# KiCad board V1.1.kicad_pcb (continued)
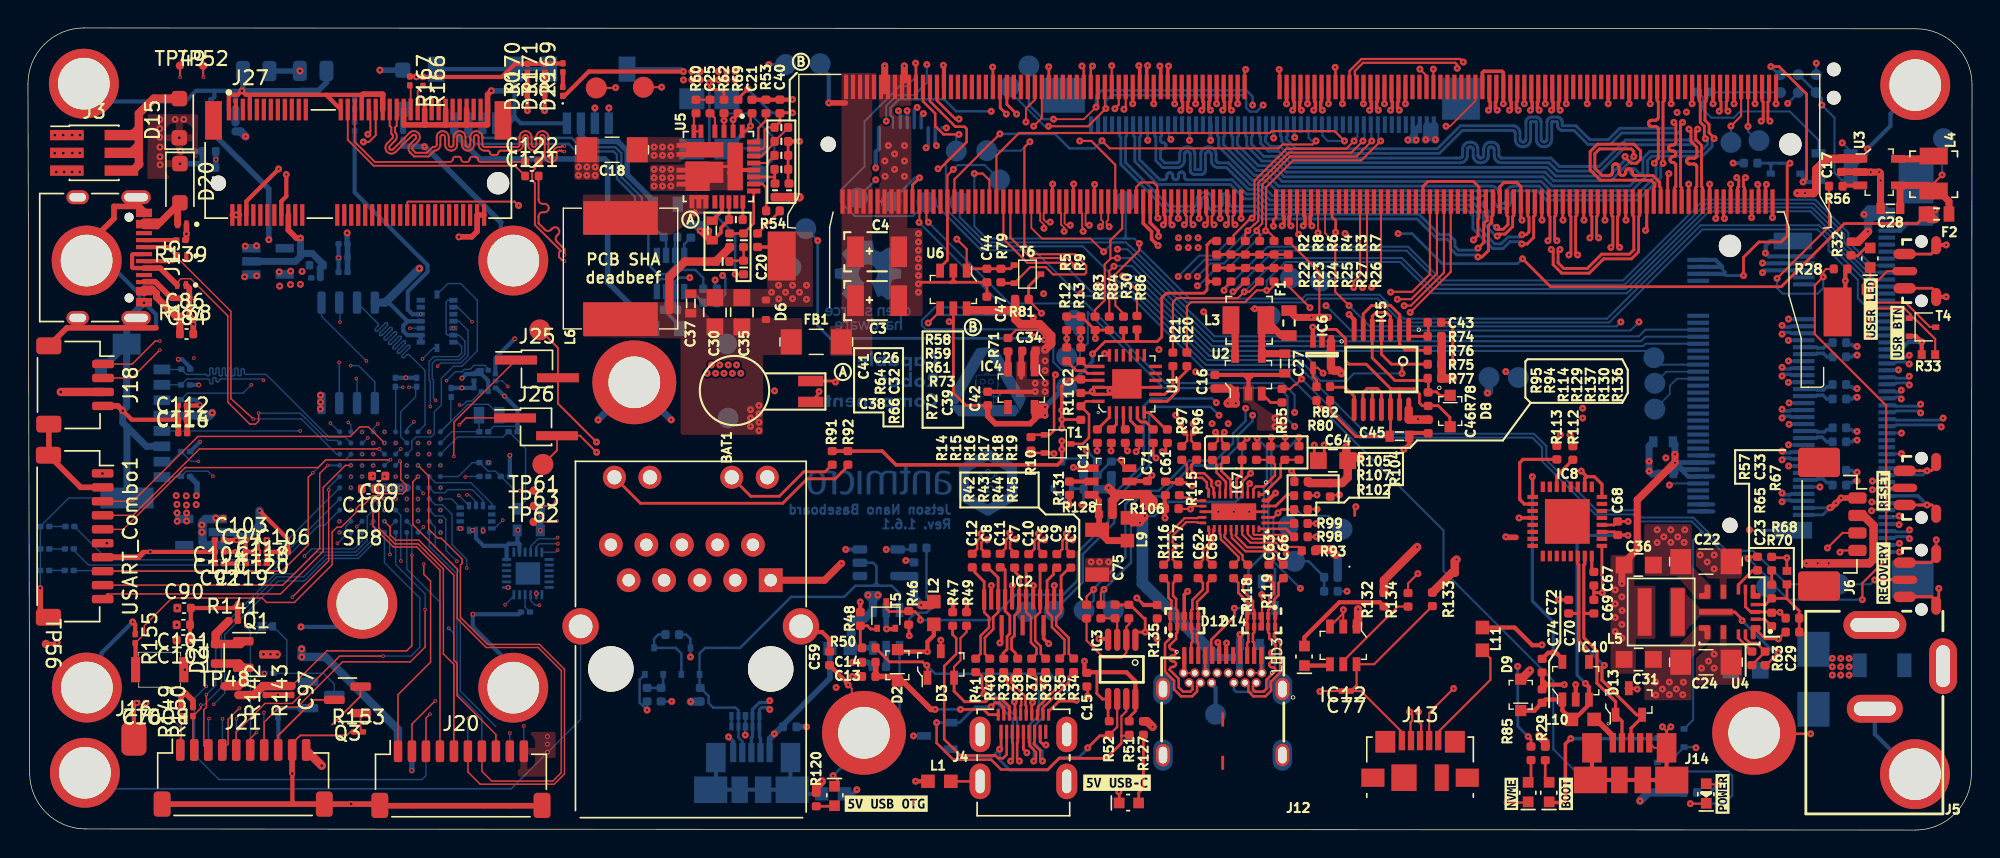
[diagram p0: board, top side]
## Routing (per net, layer and track width the routed paths; a pad name or vN(x,y) marks a point on that pad's centre or on a via; arc(x,y) is an arc through that point) (continued)
/Display/TMDS_D0_C_N: length 3.6
  Top w0.18: 69.72,11.3 70.02,11 70.02,10.43 71.03,9.42 71.03,8.94 70.98,8.9 J4.11
/Display/TMDS_D0_C_P: length 3.6
  Top w0.18: 70.62,11.3 70.32,11 70.32,10.55 71.33,9.55 71.33,8.94 71.38,8.9 J4.9
/Display/TMDS_D0_N: length 70.7
  Top w0.18: 69.57,19.82 69.92,20.17 69.92,20.75 70.2,21.03 v1(70.2,21.26)
  Top w0.25: 106.5,53.18 106.5,52.17 106.43,52.11 106.43,51.65 v1(106.56,51.52)
  In3_SIGNAL.Cu w0.18: v1(70.2,21.26) 68.72,22.74 68.73,22.78 68.74,22.82 68.76,22.85 68.79,22.88 68.82,22.9 68.86,22.91 68.9,22.92 68.93,22.92 68.97,22.92 69.01,22.94 69.04,22.96 69.07,22.99 69.09,23.02 69.1,23.06 69.11,23.1 69.1,23.14 69.09,23.18 69.07,23.21 69.04,23.24 69.01,23.26 68.97,23.27 68.93,23.28 68.9,23.28 68.86,23.28 68.82,23.3 68.79,23.32 68.76,23.35 68.74,23.38 68.73,23.42 68.72,23.46 68.73,23.5 68.74,23.54 68.76,23.57 68.79,23.6 68.82,23.62 68.86,23.63 68.9,23.64 68.93,23.64 68.97,23.64 69.01,23.66 69.04,23.68 69.07,23.71 69.09,23.74 69.1,23.78 69.11,23.82 69.1,23.86 69.09,23.9 69.07,23.93 69.04,23.96 69.01,23.98 68.97,23.99 68.93,24 68.9,24 68.86,24 68.82,24.02 68.79,24.04 68.76,24.07 68.74,24.1 68.73,24.14 68.72,24.18 68.72,25.06 68.71,25.16 68.68,25.25 68.63,25.33 68.56,25.39 68.48,25.44 68.4,25.47 68.3,25.48 68.12,25.48 68.09,25.49 68.06,25.5 68.04,25.51 68.01,25.54 68,25.56 67.99,25.59 67.98,25.63 67.98,25.7 67.99,25.73 68,25.76 68.01,25.79 68.04,25.81 68.06,25.83 68.09,25.84 68.12,25.84 68.3,25.84 68.4,25.85 68.48,25.89 68.56,25.94 68.63,26 68.68,26.08 68.71,26.17 68.72,26.26 68.72,26.36 68.71,26.46 68.68,26.55 68.63,26.63 68.56,26.69 68.48,26.74 68.4,26.77 68.3,26.78 68.12,26.78 68.09,26.79 68.06,26.8 68.04,26.81 68.01,26.84 68,26.86 67.99,26.89 67.98,26.93 67.98,27 67.99,27.03 68,27.06 68.01,27.09 68.04,27.11 68.06,27.13 68.09,27.14 68.12,27.14 68.3,27.14 68.4,27.15 68.48,27.19 68.56,27.24 68.63,27.3 68.68,27.38 68.71,27.47 68.72,27.56 68.72,34.33 69.72,35.33 69.72,43.91 72.9,47.09 103.33,47.09 106.56,50.31 v1(106.56,51.52)
/Display/TMDS_D0_P: length 70.7
  Top w0.18: v1(70.64,20.82) 70.41,20.82 70.22,20.63 70.22,20.17 70.57,19.82
  Top w0.25: v1(105.93,51.52) 106.06,51.65 106.06,52.11 106,52.17 106,53.18
  In3_SIGNAL.Cu w0.18: v1(105.93,51.52) 106.09,51.36 106.09,50.28 103.21,47.39 72.77,47.39 69.42,44.04 69.42,35.45 68.42,34.45 68.42,27.59 68.41,27.56 68.4,27.53 68.39,27.5 68.36,27.48 68.34,27.46 68.31,27.45 68.28,27.45 68.1,27.45 68,27.44 67.92,27.41 67.84,27.36 67.77,27.29 67.72,27.21 67.69,27.12 67.68,27.03 67.68,26.9 67.69,26.81 67.72,26.72 67.77,26.64 67.84,26.57 67.92,26.52 68,26.49 68.1,26.48 68.28,26.48 68.31,26.48 68.34,26.47 68.36,26.45 68.39,26.43 68.4,26.4 68.41,26.37 68.42,26.34 68.42,26.29 68.41,26.26 68.4,26.23 68.39,26.2 68.36,26.18 68.34,26.16 68.31,26.15 68.28,26.15 68.1,26.15 68,26.14 67.92,26.11 67.84,26.06 67.77,25.99 67.72,25.91 67.69,25.82 67.68,25.73 67.68,25.6 67.69,25.51 67.72,25.42 67.77,25.34 67.84,25.27 67.92,25.22 68,25.19 68.1,25.18 68.28,25.18 68.31,25.18 68.34,25.17 68.36,25.15 68.39,25.13 68.4,25.1 68.41,25.07 68.42,25.04 68.42,22.61 69.73,21.29 69.73,21.04 69.98,20.8 70.42,20.8 70.45,20.82 v1(70.64,20.82)
/Display/TMDS_D1_C_N: length 9.4
  Top w0.18: R37.2 72.12,10.95 72.12,10.4 v1(71.96,10.24) ; J4.8 71.58,6.28 71.63,6.24 71.63,6.02 72.08,5.57 72.08,5.1 v1(71.92,4.94)
  Bottom w0.18: v1(71.92,4.94) 71.92,5.83 71.69,6.07 71.69,7.61 72.29,8.22 72.29,9.9 v1(71.96,10.24)
/Display/TMDS_D1_C_P: length 9.4
  Top w0.18: v1(72.6,10.26) 72.43,10.43 72.43,10.96 R36.2 ; J4.6 71.98,6.28 71.93,6.24 71.93,6.15 72.38,5.69 72.38,5.1 v1(72.54,4.94)
  Bottom w0.18: v1(72.54,4.94) 72.54,5.64 71.99,6.19 71.99,7.49 72.6,8.09 72.6,10.26 v1(72.6,10.26)
/Display/TMDS_D1_N: length 70.7
  Top w0.18: 71.62,19.77 71.97,20.12 71.97,20.7 72.25,20.98 v1(72.25,21.21)
  Top w0.25: v1(108.06,51.52) 107.93,51.65 107.93,52.11 108,52.17 108,53.18
  In3_SIGNAL.Cu w0.18: v1(108.06,51.52) 107.9,51.36 107.9,49.6 104.68,46.39 77.68,46.39 76.74,45.44 72.64,45.44 70.62,43.42 70.62,34.62 70.02,34.03 70.02,31.21 70.03,31.17 70.04,31.14 70.05,31.12 70.08,31.09 70.11,31.07 70.14,31.06 70.17,31.06 70.35,31.06 70.44,31.05 70.53,31.02 70.61,30.97 70.68,30.9 70.73,30.82 70.76,30.73 70.77,30.63 70.77,30.52 70.76,30.42 70.73,30.33 70.68,30.25 70.61,30.18 70.53,30.13 70.44,30.1 70.35,30.09 70.17,30.09 70.14,30.09 70.11,30.08 70.08,30.06 70.05,30.03 70.04,30.01 70.03,29.98 70.02,29.94 70.02,22.99 71.04,21.97 71.07,21.95 71.1,21.93 71.14,21.92 71.18,21.92 71.22,21.93 71.26,21.95 71.29,21.97 71.41,22.1 71.45,22.12 71.48,22.14 71.52,22.15 71.56,22.15 71.6,22.14 71.64,22.12 71.67,22.1 71.69,22.07 71.71,22.03 71.72,21.99 71.72,21.95 71.71,21.91 71.69,21.87 71.67,21.84 71.54,21.72 71.52,21.69 71.5,21.65 71.49,21.61 71.49,21.57 71.5,21.53 71.52,21.5 71.54,21.46 71.82,21.19 72.23,21.19 v1(72.25,21.21)
/Display/TMDS_D1_P: length 70.7
  Top w0.18: 72.62,19.77 72.27,20.12 72.27,20.58 72.46,20.77 v1(72.69,20.77)
  Top w0.25: v1(107.43,51.52) 107.56,51.65 107.56,52.11 107.5,52.17 M1.71
  In3_SIGNAL.Cu w0.18: v1(72.69,20.77) 72.66,20.74 71.84,20.74 69.72,22.86 69.72,29.97 69.73,30.06 69.76,30.15 69.81,30.23 69.88,30.3 69.96,30.35 70.05,30.38 70.14,30.39 70.32,30.39 70.36,30.4 70.39,30.41 70.41,30.43 70.44,30.45 70.46,30.48 70.47,30.51 70.47,30.54 70.47,30.61 70.47,30.64 70.46,30.67 70.44,30.7 70.41,30.72 70.39,30.74 70.36,30.75 70.32,30.75 70.14,30.75 70.05,30.77 69.96,30.8 69.88,30.85 69.81,30.92 69.76,31 69.73,31.09 69.72,31.18 69.72,34.15 70.31,34.75 70.31,43.55 72.51,45.75 76.61,45.75 77.56,46.69 104.56,46.69 107.59,49.73 107.59,51.36 v1(107.43,51.52)
/Display/TMDS_D2_C_N: length 4
  Top w0.18: J4.5 72.18,8.57 72.23,8.62 72.23,8.82 74.12,10.71 74.12,10.96 R35.2
/Display/TMDS_D2_C_P: length 4
  Top w0.18: J4.3 72.58,8.57 72.53,8.62 72.53,8.7 74.42,10.59 74.42,10.96 R34.2
/Display/TMDS_D2_N: length 70.8
  Top w0.18: v1(74.25,21.21) 74.25,20.98 73.97,20.7 73.97,20.12 73.62,19.77
  Top w0.25: v1(109.56,51.52) 109.43,51.65 109.43,52.11 109.5,52.17 109.5,53.18
  In3_SIGNAL.Cu w0.18: v1(74.25,21.21) 74.11,21.07 74,21.07 73.58,21.5 73.55,21.53 73.54,21.57 73.53,21.6 73.53,21.65 73.54,21.68 73.55,21.72 73.58,21.75 73.67,21.84 73.69,21.87 73.71,21.91 73.72,21.95 73.72,21.99 73.71,22.03 73.69,22.06 73.67,22.09 73.63,22.12 73.6,22.14 73.56,22.15 73.52,22.15 73.48,22.14 73.44,22.12 73.41,22.09 73.32,22.01 73.29,21.98 73.26,21.96 73.22,21.96 73.18,21.96 73.14,21.96 73.1,21.98 73.07,22.01 71.42,23.65 71.42,25.94 71.42,25.96 71.43,25.98 71.44,26 71.46,26.01 71.48,26.02 71.5,26.03 71.52,26.03 71.69,26.03 71.78,26.04 71.86,26.07 71.93,26.11 71.99,26.17 72.03,26.24 72.06,26.32 72.07,26.41 72.07,26.63 72.06,26.71 72.03,26.79 71.99,26.86 71.93,26.92 71.86,26.96 71.78,26.99 71.69,27 71.52,27 71.5,27 71.48,27.01 71.46,27.02 71.44,27.04 71.43,27.06 71.42,27.07 71.42,27.1 71.42,42.73 73.03,44.34 76.73,44.34 78.03,45.64 105.38,45.64 109.4,49.65 109.4,51.36 v1(109.56,51.52)
/Display/TMDS_D2_P: length 70.8
  Top w0.18: 74.62,19.77 74.27,20.12 74.27,20.58 74.46,20.77 v1(74.69,20.77)
  Top w0.25: v1(108.93,51.52) 109.06,51.65 109.06,52.11 109,52.17 109,53.18
  In3_SIGNAL.Cu w0.18: v1(74.69,20.77) 74.5,20.77 74.47,20.75 74.03,20.75 74,20.77 73.88,20.77 71.12,23.53 71.12,25.96 71.13,26.04 71.15,26.12 71.2,26.2 71.26,26.25 71.33,26.3 71.41,26.33 71.49,26.34 71.67,26.34 71.69,26.34 71.71,26.35 71.73,26.36 71.74,26.37 71.75,26.39 71.76,26.41 71.76,26.43 71.76,26.6 71.76,26.62 71.75,26.64 71.74,26.66 71.73,26.68 71.71,26.69 71.69,26.69 71.67,26.7 71.49,26.7 71.41,26.71 71.33,26.73 71.26,26.78 71.2,26.84 71.15,26.91 71.13,26.99 71.12,27.07 71.12,42.85 72.91,44.64 76.61,44.64 77.91,45.94 105.26,45.94 109.09,49.78 109.09,51.36 v1(108.93,51.52)
/Display/TMDS_HPD_IN: length 19.4
  Top w0.18: v1(64.27,11.79) 64.32,11.74 D3.1
  Top w0.2: J4.1 72.98,8.48 73.73,9.23 74.91,9.23 v1(74.97,9.29) ; R50.1 61.6,12.04 63.97,12.04 64.22,11.79 v1(64.27,11.79)
  Bottom w0.18: v1(74.97,9.29) 73.07,11.19 64.87,11.19 v1(64.27,11.79)
/Display/TMDS_SCL: length 46.7
  Top w0.15: M1.100 100.25,39.78 98.99,38.53 97.46,38.53 v1(97.44,38.5) ; v1(76.2,17.21) 75.7,16.71 75.7,16.12
  In3_SIGNAL.Cu w0.15: v1(87.07,30.19) 87.27,30.39 87.27,32.28 89.88,34.89 95.17,34.89 97.37,37.09 97.37,38.43 v1(97.44,38.5)
  Bottom w0.18: v1(87.07,30.19) 87.07,29.29 86.17,28.39 86.17,27.69 84.92,26.44 83.02,26.44 80.86,24.28 79.43,24.28 78.47,23.32 78.47,19.54 76.2,17.27 v1(76.2,17.21) 76.2,16.42 TP28.1
/Display/TMDS_SCL_5V0: length 26.1
  Top w0.15: IC3.7 78.53,8.5 78.18,8.15 78.18,6.75 ; 78.74,6.75 78.19,6.75 78.18,6.75 ; 78.18,6.75 78.18,6.22
  Top w0.18: v1(64.97,7.69) 64.97,6.24 66.17,5.03 68.87,5.03 69.58,4.33 72.93,4.33
  Top w0.2: J4.17 69.78,8.77 69.44,9.11 69.15,9.11 v1(68.87,8.82) ; 78.18,6.22 77.1,5.13 73.73,5.13 72.93,4.33
  Bottom w0.18: v1(64.97,7.69) D4.1
  Bottom w0.2: v1(68.87,8.82) 67.75,8.82 66.62,7.69 D4.1
/Display/TMDS_SDA: length 46.3
  Top w0.15: M1.98 100.75,39.83 98.91,37.99 v1(97.92,37.99) ; v1(76.94,17.21) 76.72,16.99 76.72,16.12
  In3_SIGNAL.Cu w0.15: v1(87.57,29.69) 87.62,29.74 87.62,32.14 89.97,34.49 95.36,34.49 97.87,37 97.87,37.94 v1(97.92,37.99)
  Bottom w0.18: v1(87.57,29.69) 87.57,29.29 86.51,28.23 86.51,27.48 85.12,26.09 83.22,26.09 81.02,23.89 79.52,23.89 78.87,23.24 78.87,19.14 v1(76.94,17.21) 76.94,16.42 TP29.1
/Display/TMDS_SDA_5V0: length 18
  Top w0.15: 77.32,6.75 77.32,6.75 ; R52.2 77.88,7.38 77.88,9.37
  Top w0.2: J4.18 69.58,5.88 v1(69.48,5.78) ; 77.32,6.75 76.64,6.75 v1(75.78,5.88)
  Bottom w0.2: D4.2 66.22,5.79 66.77,5.24 68.93,5.24 v1(69.48,5.78) 69.48,5.02 70.21,4.28 72.88,4.28 73.8,5.21 75.15,5.21 75.78,5.83 v1(75.78,5.88)
/ID Serial/EEPROM_PWR: length 12.5
  Top w0.2: v1(126.93,46.38) 127.18,46.63 127.18,52.68 125.22,54.64 v1(124.62,54.64)
  Bottom w0.2: v1(124.62,54.64) 125.2,54.07 TP1.1
  Bottom w0.3: D1.C 126.93,46.79 v1(126.93,46.38) 127.88,46.38 IC1.4
/ID Serial/SN_WP: length 11.9
  Bottom w0.15: R1.1 119.78,52.46 119.78,51.58 120.38,50.98 121.98,50.98 122.43,51.43 125.98,51.43 128.03,49.38 IC1.5
/Interfaces/C_PCIE0_TX0_N: length 2.2
  Bottom w0.25: J7.47 127.89,34.06 127.95,34.12 128.38,34.12 128.63,33.87 129.05,33.87
/Interfaces/C_PCIE0_TX0_P: length 2.2
  Bottom w0.25: J7.49 127.89,34.56 127.95,34.5 128.38,34.5 128.63,34.74 129.05,34.74
/Interfaces/C_PCIE0_TX1_N: length 2.2
  Bottom w0.25: 129.05,30.85 128.63,30.85 128.36,31.12 127.95,31.12 127.89,31.06 J7.35
/Interfaces/C_PCIE0_TX1_P: length 2.2
  Bottom w0.25: J7.37 127.89,31.56 127.95,31.5 128.4,31.5 128.63,31.73 129.05,31.73
/Interfaces/C_PCIE0_TX2_N: length 2.2
  Bottom w0.25: 129.05,27.79 128.63,27.79 128.29,28.12 127.95,28.12 127.89,28.06 J7.23
/Interfaces/C_PCIE0_TX2_P: length 2.2
  Bottom w0.25: 129.05,28.66 128.63,28.66 128.46,28.5 127.95,28.5 127.89,28.56 J7.25
/Interfaces/C_PCIE0_TX3_N: length 2.2
  Bottom w0.25: 129.05,24.87 128.63,24.87 128.37,25.12 127.95,25.12 127.89,25.06 J7.11
/Interfaces/C_PCIE0_TX3_P: length 2.2
  Bottom w0.25: 129.05,25.74 128.63,25.74 128.38,25.5 127.95,25.5 127.89,25.56 J7.13
/Interfaces/CANH: length 25.5
  Bottom w0.18: J8.2 31.49,49.64 32.01,49.11 38.67,49.11 39.21,48.57 41.87,48.57 42.12,48.33 42.12,46.62 43.41,45.33 43.41,43.92 44.37,42.96 44.37,40.47 45.04,39.79 45.67,39.79 46.27,40.39 U7.7 46.27,42.28 R90.2
/Interfaces/CANL: length 20
  Bottom w0.18: J8.3 32.49,49.64 32.59,49.54 38.88,49.54 39.54,48.88 42,48.88 42.43,48.44 42.43,46.74 43.9,45.28 43.9,44 R90.1 45.62,42.28 U7.6
/NextPx4/AUX_PC0: length 3.1
  In3_SIGNAL.Cu w0.1: v4(31.27,25.27) 30.27,25.27 v4(29.5,24.5)
  Bottom w0.1: R152.2 31.31,25.31 v4(31.27,25.27)
/NextPx4/AUX_PC13: length 22.6
  Top w0.1: 28.46,6.41 28.46,8.01 v4(28.74,8.29)
  In2.Cu w0.1: 28.77,8.32 28.77,15.6 29.08,15.92 29.08,28.12 v4(28.7,28.5)
  In2.Cu w0.125: v4(28.74,8.29) 28.77,8.32 ; v4(28.7,28.5) 28.7,28.56
/NextPx4/AUX_PD4: length 23.2
  Top w0.1: v4(28.3,19.04) 28.3,18.31 28.79,17.82 28.79,12.02 26.46,9.69 26.46,6.41
  Top w0.125: 28.25,19.04 v4(28.3,19.04) 28.29,19.04 ; v4(24.68,26.09) 24.69,26.09
  In2.Cu w0.1: v4(24.68,26.09) 26.06,26.09 26.69,25.46 26.69,25.14 27.49,24.33 27.49,20.47 28.3,19.66 v4(28.3,19.04)
/NextPx4/AUX_PH1: length 21.7
  Top w0.1: J20.2 27.46,7.59 29.11,9.24
  Top w0.125: 29.11,9.24 v4(29.12,9.24)
  In2.Cu w0.1: v4(29.49,26.11) 29.89,25.71 29.89,14.8 29.12,14.03 v4(29.12,9.24)
/NextPx4/BAT_I: length 15.9
  Bottom w0.1: U22.K4 27.09,18.68 29.49,16.27 29.49,9.08 29.46,9.05 29.46,6.43
/NextPx4/BAT_V: length 22.9
  Top w0.1: v4(27.45,19.66) 27.45,13.2 27.07,12.82 21.37,12.82 C97.1
  Top w0.6: R142.2 16.15,9.67 16.79,10.31 R143.1 C97.1
  Bottom w0.1: v4(27.45,19.66) 27.45,19.66 27.45,21.74 U22.J4
/NextPx4/BMI_Accel_CS: length 12.9
  In2.Cu w0.1: v4(27.89,26.9) 28.27,27.28 28.27,29.28 30.45,31.45 30.45,33.08 31.77,34.4 31.77,36.37 v4(31.75,36.39)
  Bottom w0.1: v4(31.75,36.39) 31.75,36.4 30.73,37.42 30.41,37.42
/NextPx4/BMI_Accel_Data_RDY: length 17.8
  Bottom w0.1: 29.25,38.33 30.03,39.11 30.93,39.11 32.12,37.92 32.12,34.29 31.03,33.2 30.43,33.2 29.55,32.33 29.55,30.43 29.05,29.92 29.05,28.35 28.84,28.14 27.74,28.14 27.45,27.85 27.45,27.26 U22.C4
/NextPx4/BMI_Gryo_CS: length 11.3
  In2.Cu w0.1: v4(27.31,35.91) 29.66,33.55 29.66,33.04 29.17,32.55 29.17,31.87 27.17,29.87 27.17,28.42 v4(27.9,27.69)
  Bottom w0.1: v4(27.31,35.91) 27.32,35.92 U25.5
/NextPx4/BMI_Gyro_Data_RDY: length 13.8
  In2.Cu w0.1: v4(27.09,26.1) 27.09,26.1 27.09,28.18 26.94,28.33 26.94,29.96 28.8,31.82 28.8,32.71 v4(29.29,33.2)
  Bottom w0.1: 30.41,36.42 30.81,36.42 31.47,35.76 31.47,33.95 30.95,33.43 29.52,33.43 v4(29.29,33.2)
/NextPx4/BMP_Data_RDY: length 6.6
  In3_SIGNAL.Cu w0.1: 27.59,29.23 29.67,29.23 v4(30.86,30.42)
  Bottom w0.1: U27.7 31.72,30.7 31.37,30.7 31.09,30.42 v4(30.86,30.42) ; v4(27.6,29.22) 27.09,28.71 U22.A4
/NextPx4/Buzzer-: length 6.4
  Top w0.1: J21.8 17.89,6.76
  Top w0.125: Q3.3 20.45,9.32 17.89,6.76 ; J21.8 17.89,5.98
/NextPx4/Buzzer_RGB_LED: length 22.2
  Top w0.1: v4(18.9,16.67) 21.5,19.27 21.5,24.34 ; v4(16.34,6.99) 15.89,6.53 J21.6
  Top w0.15: v4(21.51,24.35) 21.5,24.34
  In2.Cu w0.1: v4(16.34,6.99) 16.34,14.11 v4(18.9,16.67)
  Bottom w0.1: U22.E10 21.51,24.52
  Bottom w0.15: 21.51,24.52 v4(21.51,24.35)
/NextPx4/Extern_I2C_INT_PE15: length 24.8
  Top w0.1: J21.3 12.57,6.04 12.57,8.6 12.76,8.78 v4(12.76,9.69)
  Bottom w0.1: v4(12.76,9.69) 13.43,10.36 13.43,14.08 15.16,15.81 15.16,15.81 15.4,16.04 15.4,16.05 17.69,18.34 19.07,18.34 20.62,19.89 23.43,19.89 24.25,20.72 24.25,22.46 U22.H7
/NextPx4/Extern_IMU_Heater: length 24.8
  Top w0.1: v4(28.4,15.78) 28.4,13.1 27.34,12.04 22.49,12.04 19.25,8.8 17.97,8.8 16.89,7.72 J21.7
  Bottom w0.1: U22.K5 26.29,19.01 28.4,16.9 v4(28.4,15.78)
/NextPx4/Extern_SPI_CS_1_PE13: length 26.7
  Top w0.1: v4(25.4,12.45) 22.29,12.45 18.9,9.06 16.95,9.06 14.89,7 J21.5
  Top w0.15: 14.89,6.23 J21.5
  Bottom w0.1: 25.49,21.3 25.49,19.14 28.02,16.61 28.02,13.08 27.39,12.45 v4(25.4,12.45)
  Bottom w0.15: U22.K6 25.49,21.3
/NextPx4/Extern_SPI_CS_2_PE14: length 20.7
  Top w0.1: v4(25.08,23.3) 25.08,21.63 26.23,20.48 27.9,20.48 29.7,18.68 29.7,12.61 30.46,11.85 30.46,6.41
  Bottom w0.1: v4(25.08,23.3) 25.08,23.31 U22.G7
/NextPx4/Extern_SPI_INT_1_PE10: length 20.9
  Top w0.1: U22.G6 v4(25.49,23.7) 24.91,23.7 24.67,23.46 24.67,21.72 26.14,20.26 27.81,20.26 29.46,18.6 29.46,6.41
/NextPx4/Extern_SPI_INT_2_PE11: length 22.9
  Top w0.1: 15.08,8.7 14.31,7.93 14.31,6.16 J21.4
  Top w0.15: 15.08,8.7 v4(15.12,8.72) 15.11,8.7
  In2.Cu w0.1: v4(25.5,22.9) 25.08,22.48 25.08,21.94 23.26,20.12 21.78,20.12 15.12,13.46 v4(15.12,8.72)
/NextPx4/I2C1_SCL: length 11.8
  In3_SIGNAL.Cu w0.1: v4(27.24,31.69) 27.25,31.68 29.44,31.68 v4(29.93,32.17)
  Bottom w0.1: U27.2 32.91,33.02 32.66,33.26 31.9,33.26 31.61,32.97 31.2,32.97 31.04,32.8 30.56,32.8 v4(29.93,32.17) ; v4(27.24,31.69) 27.75,31.69 R160.2 ; U22.B4 26.65,28.14 26.65,29.93 27.72,31 27.72,31.66 R160.2 ; R160.2 27.78,31.73
/NextPx4/I2C1_SDA: length 12.9
  In3_SIGNAL.Cu w0.1: v4(34.31,31.75) 34.17,31.75 33.64,31.22 30.85,31.22 30.77,31.31 27.09,31.31 26.79,31.61 v4(26.79,31.69)
  Bottom w0.1: U22.A5 26.29,31.71 R159.2 ; v4(26.79,31.69) 26.31,31.69 R159.2 ; U27.4 33.91,32.15 v4(34.31,31.75) ; R159.2 26.35,31.65
/NextPx4/I2C2_SCL: length 26
  Top w0.1: v4(10.96,8.16) 10.96,6.58 10.89,6.51 J21.1 10.96,5.8
  In2.Cu w0.1: v4(13.28,9) 12.44,8.16 v4(10.96,8.16)
  Bottom w0.1: U22.J7 24.48,21.89 24.62,21.89 25.05,21.45 25.05,20.88 23.61,19.44 21.38,19.44 19.76,17.83 17.91,17.83 14.07,13.99 14.07,9.79 v4(13.28,9)
/NextPx4/I2C2_SDA: length 23.5
  Top w0.1: J21.2 11.8,5.82 R150.1 12.36,8.72 v4(12.36,8.95)
  Bottom w0.1: v4(12.36,8.95) 12.57,8.95 13.83,10.21 13.83,14.16 15.25,15.58 15.25,15.58 15.62,15.95 15.62,15.95 17.79,18.12 19.72,18.12 21.27,19.67 23.52,19.67 24.69,20.84 U22.K7
/NextPx4/ICM_Data_RDY: length 7.8
  In3_SIGNAL.Cu w0.1: v4(27.89,23.7) 28.33,23.7 29.11,22.92 29.11,22.75 29.33,22.53 30.07,22.53 30.42,22.18 v4(33.95,22.18)
  Bottom w0.1: v4(33.95,22.18) 33.36,21.59 U24.4
/NextPx4/ICM_~{CS}: length 4.7
  In3_SIGNAL.Cu w0.1: v4(28.26,24.09) 29.03,23.32 29.65,23.32 30.28,23.95 v4(30.8,23.95)
  Bottom w0.1: v4(30.8,23.95) 30.81,23.95 U24.12 ; U22.F3 28.26,24.13 v4(28.26,24.09)
/NextPx4/LED_BLUE: length 21.5
  Bottom w0.1: D27.2 3.28,20.02 4.33,18.97 17.55,18.97 18.32,19.74 18.33,19.74 U22.G10
/NextPx4/LED_GREEN: length 20.8
  Bottom w0.1: U22.H10 21.2,21.81 20.79,21.81 17.55,18.57 3.28,18.57 D28.2
/NextPx4/LED_RED: length 22.1
  Bottom w0.1: U22.F10 17.13,19.34 5.71,19.34 D26.2
/NextPx4/MPU_Data_RDY: length 11.9
  In3_SIGNAL.Cu w0.1: v4(34.12,16.13) 34.12,16.54 31.03,19.63 29.34,19.63 28.12,20.85 27.73,20.85 27.48,21.1 27.48,22.55 27.13,22.9 v4(27.09,22.9)
  Bottom w0.1: U26.12 34.75,16.76 v4(34.12,16.13)
/NextPx4/MPU_~{CS}: length 14.7
  In3_SIGNAL.Cu w0.1: v4(37.87,20.94) 30.37,20.94 29.59,21.72 29.35,21.72 28.89,22.18 28.89,22.43 28,23.33 27.47,23.33 v4(27.09,23.7)
  Bottom w0.1: v4(37.87,20.94) 37.78,20.85 36.48,20.85 35.95,20.32 U26.22
/NextPx4/NRST: length 7.9
  Top w0.1: v4(35.16,24.3) TP61.1
  Bottom w0.1: v4(35.16,24.3) 34.83,24.3 C105.1 33.44,25.68 32.9,25.68 R154.2 31.77,26.3 30.77,25.3 U22.E1
/NextPx4/PWM/DSHOT_CH1: length 22.7
  In3_SIGNAL.Cu w0.1: v4(31.37,18.76) 31.37,8.97 32.89,7.45 v4(35.45,7.45)
  Bottom w0.1: J19.1 35.46,7.44 v4(35.45,7.45) ; U22.G2 29.11,23.28 29.64,23.28 30.32,22.6 30.32,20.43 31.37,19.38 v4(31.37,18.76)
/NextPx4/PWM/DSHOT_CH2: length 20.8
  In3_SIGNAL.Cu w0.1: v4(34.46,6.94) 33.07,6.94 31.04,8.97 31.04,12.67 30.67,13.04 v4(30.67,19.24)
  Bottom w0.1: v4(30.67,19.24) 29.88,20.03 29.88,22.25 29.65,22.48 29.11,22.48 U22.H2 ; v4(34.46,6.94) J19.2
/NextPx4/PWM/DSHOT_CH3: length 17.6
  Bottom w0.1: J19.3 33.46,6.63 ; U22.J2 29.12,21.67 29.12,20.25 30.91,18.46 30.91,9.95 33.46,7.4
/NextPx4/PWM/DSHOT_CH4: length 16.4
  Bottom w0.1: 32.46,6.43 32.46,8.04 30.67,9.82 30.67,18.22 30.67,18.23 30.67,18.33 28.69,20.31 U22.K2
/NextPx4/PWM/DSHOT_CH5: length 21.9
  In3_SIGNAL.Cu w0.1: v4(23.89,22.9) 23.89,20.48 23.97,20.4 27.92,20.4 29.07,19.24 29.07,14.31 30.79,12.6 30.79,8.69 v4(31.49,7.99)
  Bottom w0.1: v4(31.49,7.99) 31.46,7.96 31.46,6.43
/NextPx4/PWM/DSHOT_CH6: length 22.1
  In3_SIGNAL.Cu w0.1: 24.27,20.88 24.27,20.78 24.43,20.62 28.01,20.62 30.08,18.55 v4(30.08,14.44) ; 24.27,20.88 24.26,20.87 ; 24.27,20.88 24.27,23.32 v4(23.89,23.7)
  Bottom w0.1: v4(30.08,14.44) 30.45,14.07 30.45,6.44 ; 30.45,5.66 J19.6
/NextPx4/QSPI_BK1_IO0: length 19.8
  In2.Cu w0.1: v4(23.07,33.24) 22.38,32.55 22.38,31.87 arc(22.34,31.79) 22.26,31.76 22.01,31.76 arc(21.93,31.72) 21.89,31.64 arc(21.93,31.57) 22.01,31.53 22.75,31.53 arc(22.83,31.5) 22.86,31.42 arc(22.83,31.34) 22.75,31.31 22.01,31.31 arc(21.93,31.27) 21.89,31.19 arc(21.93,31.12) 22.01,31.08 22.75,31.08 arc(22.83,31.05) 22.86,30.97 arc(22.83,30.89) 22.75,30.86 22.01,30.86 arc(21.93,30.82) 21.89,30.74 arc(21.93,30.67) 22.01,30.63 22.75,30.63 arc(22.83,30.6) 22.86,30.52 arc(22.83,30.44) 22.75,30.41 22.01,30.41 arc(21.93,30.37) 21.89,30.29 arc(21.93,30.22) 22.01,30.18 22.26,30.18 arc(22.34,30.15) 22.38,30.07 22.38,24.42 v4(23.09,23.7)
  Bottom w0.1: v4(23.07,33.24) 23.64,33.24 24.8,32.08 U28.5
/NextPx4/QSPI_BK1_IO1: length 19.9
  In2.Cu w0.1: v4(22.25,21.3) 18.97,24.58 18.97,34.13 20.09,34.13 v4(22.31,36.35)
  Bottom w0.1: v4(22.31,36.35) 22.31,37.7 U28.2
/NextPx4/QSPI_BK1_IO2: length 22.9
  Bottom w0.1: U22.A3 28.39,29 28.39,32.89 27.26,34.02 arc(27.18,34.05) 27.1,34.02 26.91,33.83 arc(26.83,33.79) 26.75,33.83 arc(26.72,33.91) 26.75,33.99 27.29,34.53 arc(27.33,34.61) 27.29,34.68 arc(27.21,34.72) 27.13,34.68 26.6,34.15 arc(26.52,34.11) 26.44,34.15 arc(26.4,34.23) 26.44,34.31 26.97,34.84 arc(27.01,34.92) 26.97,35 arc(26.9,35.04) 26.82,35 26.28,34.46 arc(26.2,34.43) 26.12,34.46 arc(26.09,34.54) 26.12,34.62 26.66,35.16 arc(26.69,35.24) 26.66,35.32 arc(26.58,35.35) 26.5,35.32 25.96,34.78 arc(25.88,34.75) 25.8,34.78 arc(25.77,34.86) 25.8,34.94 26.34,35.48 arc(26.37,35.56) 26.34,35.64 arc(26.26,35.67) 26.18,35.64 25.64,35.1 arc(25.56,35.07) 25.48,35.1 arc(25.45,35.18) 25.48,35.26 26.02,35.8 arc(26.05,35.88) 26.02,35.96 arc(25.94,35.99) 25.86,35.96 25.32,35.42 arc(25.24,35.39) 25.16,35.42 arc(25.13,35.5) 25.16,35.58 25.7,36.12 arc(25.73,36.2) 25.7,36.28 arc(25.62,36.31) 25.54,36.28 25,35.74 arc(24.92,35.7) 24.85,35.74 arc(24.81,35.82) 24.85,35.9 25.03,36.09 arc(25.07,36.17) 25.03,36.24 U28.3
/NextPx4/QSPI_BK1_IO3: length 19.8
  In2.Cu w0.1: v4(22.25,22.1) 22.08,22.1 19.25,24.93 19.25,25.07 arc(19.28,25.15) 19.36,25.18 19.61,25.18 arc(19.68,25.22) 19.72,25.29 arc(19.68,25.37) 19.61,25.41 19.36,25.41 arc(19.28,25.44) 19.25,25.52 arc(19.28,25.6) 19.36,25.63 19.61,25.63 arc(19.68,25.67) 19.72,25.74 arc(19.68,25.82) 19.61,25.86 19.36,25.86 arc(19.28,25.89) 19.25,25.97 arc(19.28,26.05) 19.36,26.08 19.61,26.08 arc(19.68,26.12) 19.72,26.19 arc(19.68,26.27) 19.61,26.31 19.36,26.31 arc(19.28,26.34) 19.25,26.42 arc(19.28,26.5) 19.36,26.53 19.61,26.53 arc(19.68,26.57) 19.72,26.64 arc(19.68,26.72) 19.61,26.76 19.36,26.76 arc(19.28,26.79) 19.25,26.87 19.25,27.35 21.55,29.65 21.55,32.77 v4(22.25,33.47)
  Bottom w0.1: U28.7 22.26,33.46 v4(22.25,33.47)
/NextPx4/QSPI_BK1_~{CS}: length 19.8
  In2.Cu w0.1: v4(24.2,33.58) 24.2,33.55 24.41,33.34 arc(24.49,33.31) 24.57,33.34 24.75,33.52 arc(24.83,33.55) 24.91,33.52 arc(24.94,33.44) 24.91,33.36 24.39,32.84 arc(24.36,32.77) 24.39,32.69 arc(24.47,32.65) 24.55,32.69 25.06,33.2 arc(25.14,33.23) 25.22,33.2 arc(25.26,33.12) 25.22,33.04 24.71,32.53 arc(24.68,32.45) 24.71,32.37 arc(24.79,32.33) 24.87,32.37 25.38,32.88 arc(25.46,32.91) 25.54,32.88 arc(25.57,32.8) 25.54,32.72 25.03,32.21 arc(25,32.13) 25.03,32.05 arc(25.11,32.02) 25.19,32.05 25.7,32.56 arc(25.78,32.6) 25.86,32.56 arc(25.89,32.48) 25.86,32.4 25.35,31.89 arc(25.31,31.81) 25.35,31.73 arc(25.43,31.7) 25.51,31.73 26.02,32.24 arc(26.1,32.28) 26.18,32.24 arc(26.21,32.16) 26.18,32.09 26,31.91 arc(25.97,31.83) 26,31.75 26.3,31.45 26.3,27.71 v4(26.29,27.7)
  Bottom w0.1: v4(24.2,33.58) 24.19,33.58 20.99,36.78 U28.1
/NextPx4/QSPI_CLK: length 19.8
  In2.Cu w0.1: v4(23.47,32.32) 23.47,31.74 arc(23.44,31.66) 23.36,31.63 23.28,31.63 arc(23.2,31.59) 23.17,31.51 arc(23.2,31.44) 23.28,31.4 23.82,31.4 arc(23.9,31.37) 23.93,31.29 arc(23.9,31.21) 23.82,31.18 23.28,31.18 arc(23.2,31.14) 23.17,31.06 arc(23.2,30.99) 23.28,30.95 23.82,30.95 arc(23.9,30.92) 23.93,30.84 arc(23.9,30.76) 23.82,30.73 23.28,30.73 arc(23.2,30.69) 23.17,30.61 arc(23.2,30.54) 23.28,30.5 23.82,30.5 arc(23.9,30.47) 23.93,30.39 arc(23.9,30.31) 23.82,30.28 23.13,30.28 arc(23.05,30.24) 23.02,30.16 arc(23.05,30.09) 23.13,30.05 23.82,30.05 arc(23.9,30.02) 23.93,29.94 arc(23.9,29.86) 23.82,29.83 23.13,29.83 arc(23.05,29.79) 23.02,29.71 arc(23.05,29.64) 23.13,29.6 23.82,29.6 arc(23.9,29.57) 23.93,29.49 arc(23.9,29.41) 23.82,29.38 23.59,29.38 arc(23.51,29.34) 23.47,29.26 23.47,27.83 23.06,27.42 23.06,26.68 23.52,26.22 23.52,25.15 23.74,24.93 24.23,24.93 25.07,24.09 25.9,24.09 v4(26.29,23.7)
  Bottom w0.1: U28.6 23.53,32.26 v4(23.47,32.32)
/NextPx4/SBUS: length 1.5
  Bottom w0.3: R148.2 17.91,8 17.91,6.52
/NextPx4/SCLK: length 24
  Top w0.1: v4(37.75,23.53) 37.42,23.2 TP63.1
  In5_3V3_SYS_SIGNAL.Cu w0.1: v4(37.75,23.53) 37.75,24.02 38.09,24.36 38.09,29.46 37.95,29.6 23.33,29.6 v4(22.91,29.18)
  Bottom w0.1: v4(22.91,29.18) 23.09,28.99 U22.A9
